# KiCad board n64adv2.kicad_pcb (continued)
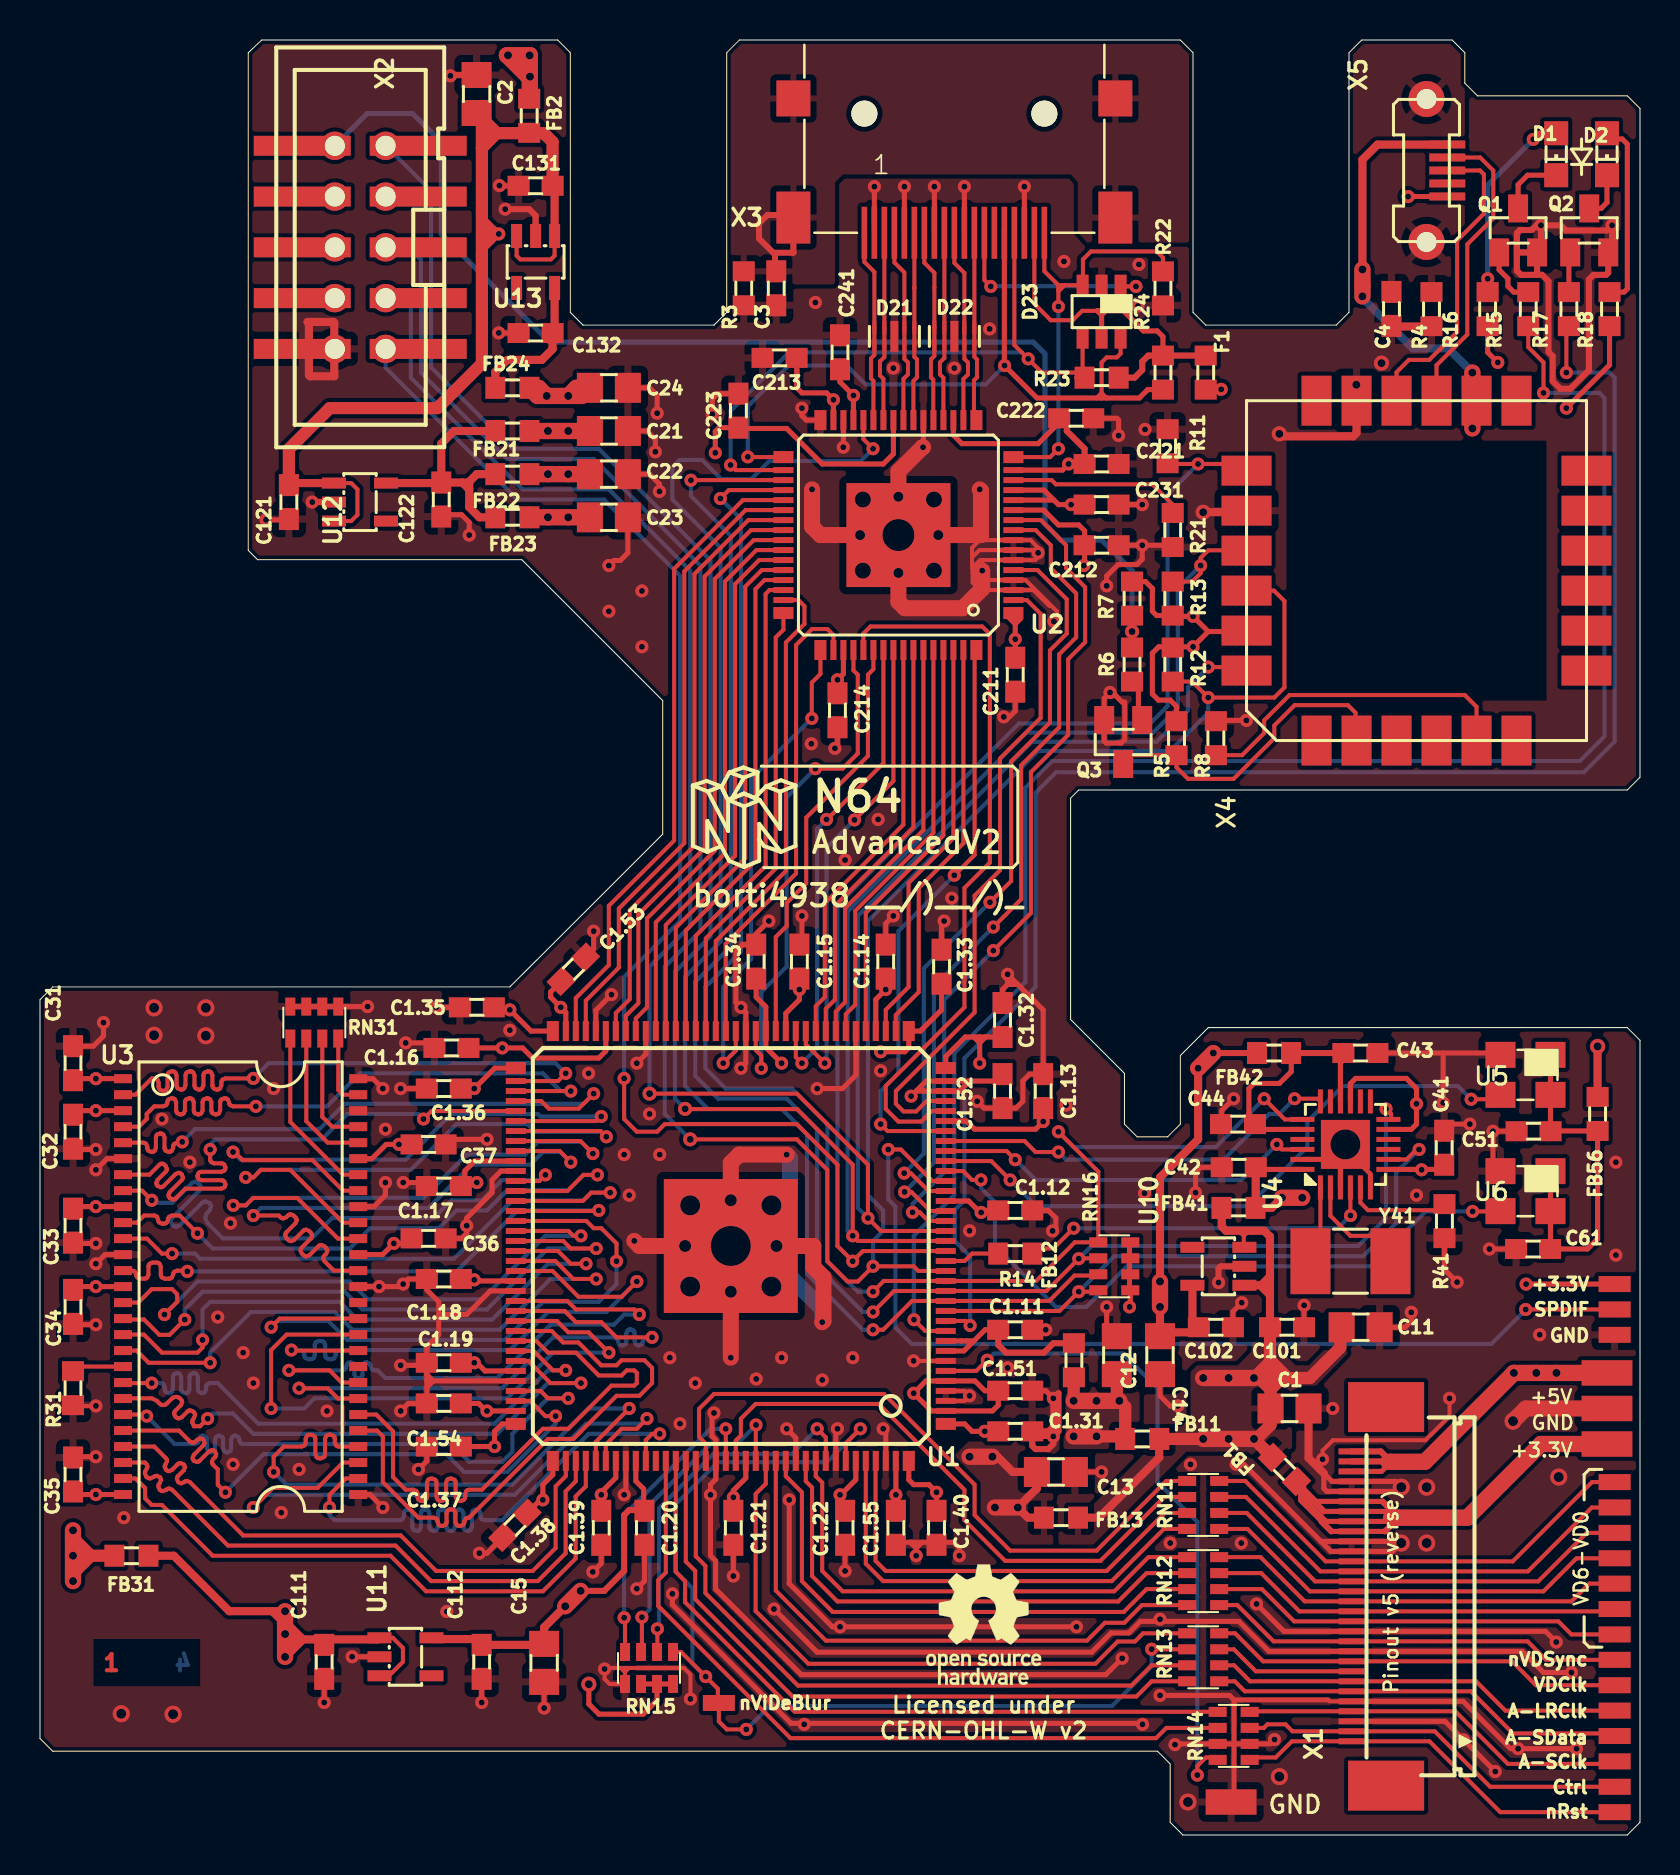
[diagram p0: board, top side]
## Routing (per net, layer and track width the routed paths; a pad name or vN(x,y) marks a point on that pad's centre or on a via; arc(x,y) is an arc through that point) (continued)
Net-(U1-Pad61): length 26.7
  Top w0.203: U1.61 31.29,45.52 34.76,48.98 34.76,62.57 35.96,63.77 U2.43
Net-(U1-Pad62): length 27.5
  Top w0.203: U1.62 30.79,45.65 34.25,49.11 34.25,62.7 35.83,64.27 U2.42
Net-(U1-Pad64): length 28.5
  Top w0.203: U2.41 35.69,64.77 33.74,62.83 33.74,49.24 30.35,45.85 30.35,41.4 29.79,40.84 U1.64
Net-(U1-Pad65): length 29.3
  Top w0.203: U2.40 35.56,65.27 33.24,62.95 33.24,49.36 29.92,46.05 29.92,41.61 29.29,40.98 U1.65
Net-(U1-Pad66): length 30.1
  Top w0.203: U1.66 28.79,41.11 29.49,41.81 29.49,46.25 32.73,49.49 32.73,63.08 35.42,65.77 U2.39
Net-(U1-Pad69): length 31.3
  Top w0.203: U1.69 27.29,41.74 28.95,43.39 28.95,46.34 32.22,49.62 32.22,63.21 35.29,66.27 U2.38
Net-(U1-Pad70): length 32
  Top w0.203: U2.37 35.15,66.77 31.71,63.33 31.71,49.75 28.45,46.48 28.45,43.52 26.79,41.87 U1.70
Net-(U1-Pad74): length 30.9
  Top w0.203: v2(26.29,38.1) 25.9,37.71 U1.74 ; v2(10.67,37.85) 9.27,37.85 9.13,37.79 9.08,37.72 9.07,37.64 9.07,37.5 9,37.35 8.93,37.3 8.85,37.28 8.69,37.35 8.64,37.42 8.62,37.5 8.62,38 8.56,38.14 8.5,38.18 8.42,38.2 8.37,38.2 8.23,38.14 8.19,38.07 8.17,38 8.17,37.5 8.11,37.35 8.03,37.3 7.95,37.28 7.79,37.35 7.74,37.42 7.72,37.5 7.72,38 7.67,38.14 7.6,38.18 7.52,38.2 7.48,38.2 7.34,38.14 7.29,38.07 7.28,38 7.28,37.5 7.21,37.35 7.14,37.3 7.05,37.28 6.89,37.35 6.84,37.42 6.83,37.5 6.83,38 6.77,38.14 6.7,38.18 6.63,38.2 6.58,38.2 6.44,38.14 6.39,38.07 6.38,38 6.38,37.44 6.31,37.28 6.24,37.23 6.16,37.22 6,37.28 5.95,37.35 5.93,37.44 5.93,37.64 5.87,37.79 5.81,37.83 5.73,37.85 5.59,37.85 4.77,37.03 U3.2
  Bottom w0.203: v2(26.29,38.1) 25.78,38.61 11.43,38.61 v2(10.67,37.85)
Net-(U1-Pad75): length 30.9
  Top w0.203: U1.75 26.54,37.21 v2(26.54,37.21) ; v2(10.8,36.45) 9.65,36.45 9.51,36.51 9.47,36.57 9.45,36.65 9.39,36.79 9.33,36.84 9.25,36.85 9.21,36.85 9.07,36.79 9.03,36.73 9.01,36.65 9.01,36.25 8.95,36.1 8.89,36.06 8.81,36.05 8.77,36.05 8.63,36.1 8.59,36.17 8.57,36.25 8.57,36.65 8.51,36.79 8.45,36.84 8.37,36.85 8.33,36.85 8.19,36.79 8.14,36.73 8.13,36.65 8.13,36.25 8.07,36.1 8,36.06 7.93,36.05 7.89,36.05 7.75,36.1 7.7,36.17 7.69,36.25 7.69,36.65 7.63,36.79 7.56,36.84 7.49,36.85 7.45,36.85 7.31,36.79 7.26,36.73 7.25,36.65 7.25,36.25 7.19,36.1 7.12,36.06 7.05,36.05 7.01,36.05 6.87,36.1 6.82,36.17 6.81,36.25 6.81,36.65 6.75,36.79 6.68,36.84 6.61,36.85 6.57,36.85 6.43,36.79 6.38,36.73 6.35,36.57 6.31,36.51 6.17,36.45 5.72,36.45 5.33,36.07 5.33,35.81 4.95,35.43 U3.4
  Bottom w0.203: v2(26.54,37.21) 26.04,37.21 25.15,38.1 16,38.1 14.35,36.45 v2(10.8,36.45)
Net-(U1-Pad76): length 30.9
  Top w0.203: U1.76 25.06,36.71 25.45,36.33 26.93,36.33 v2(27.69,37.08) ; v2(7.11,34.67) 7.07,34.63 6.86,34.63 6.72,34.57 6.67,34.51 6.66,34.43 6.66,34.37 6.6,34.23 6.53,34.19 6.45,34.17 6.43,34.17 6.28,34.23 6.24,34.29 6.23,34.37 6.23,34.89 6.17,35.03 6.1,35.08 6.02,35.09 6,35.09 5.85,35.03 5.81,34.97 5.8,34.89 5.8,34.37 5.74,34.23 5.67,34.19 5.59,34.17 5.57,34.17 5.42,34.23 5.38,34.29 5.36,34.37 5.36,34.43 5.31,34.57 5.24,34.62 5.16,34.63 U3.5
  Bottom w0.203: v2(7.11,34.67) 7.75,35.31 13.97,35.31 15.24,36.58 27.18,36.58 v2(27.69,37.08)
Net-(U1-Pad77): length 30.9
  Top w0.203: v2(8.51,34.29) 8.51,33.8 8.52,33.72 8.57,33.65 8.71,33.6 9.07,33.6 9.15,33.58 9.21,33.54 9.27,33.39 9.27,33.38 9.26,33.3 9.21,33.23 9.07,33.17 8.08,33.17 8,33.16 7.93,33.12 7.87,32.97 7.87,32.96 7.89,32.88 7.93,32.81 8.08,32.75 9.07,32.75 9.15,32.74 9.21,32.69 9.27,32.55 9.27,32.53 9.26,32.46 9.21,32.39 9.07,32.33 7.27,32.33 6.79,31.85 6.72,31.81 6.65,31.79 6.5,31.85 6.48,31.87 6.44,31.94 6.42,32.01 6.48,32.16 7.09,32.76 7.13,32.82 7.15,32.9 7.09,33.04 7.07,33.06 7,33.11 6.92,33.12 6.78,33.06 6.18,32.46 6.11,32.42 6.04,32.4 5.89,32.46 5.87,32.48 5.83,32.55 5.81,32.62 5.87,32.77 6.29,33.18 6.33,33.24 6.35,33.32 6.29,33.46 6.22,33.53 6.14,33.58 6.05,33.58 5.97,33.53 5.47,33.03 U3.7 ; U1.77 19.58,36.21 v2(19.18,35.81)
  Bottom w0.203: v2(8.51,34.29) 8.51,34.54 8.76,34.8 14.1,34.8 15.37,36.07 18.92,36.07 v2(19.18,35.81)
Net-(U1-Pad78): length 31
  Top w0.203: U1.78 27.84,35.71 v2(28.07,35.94) ; U3.47 15.15,32.23 13.63,33.76 10.13,33.76 9.73,34.16 v2(9.65,34.16)
  Bottom w0.203: v2(9.65,34.16) 10.03,33.78 18.29,33.78 20.57,36.07 24.89,36.07 25.02,35.94 v2(28.07,35.94)
Net-(U1-Pad79): length 30.9
  Top w0.203: v2(10.29,32.89) 10.67,32.89 11.05,33.27 12.51,33.27 15.15,30.63 U3.45 ; v2(28.32,34.92) 28.03,35.21 U1.79
  Bottom w0.203: v2(10.29,32.89) 10.67,32.89 11.05,33.27 18.54,33.27 20.83,35.56 24.38,35.56 24.77,35.18 28.07,35.18 v2(28.32,34.92)
Net-(U1-Pad80): length 30.9
  Top w0.203: U3.44 14.9,29.83 12.86,31.86 10.66,31.86 10.29,31.5 v2(9.66,31.5) ; U1.80 27.02,34.71 v2(27.65,34.09)
  Bottom w0.203: v2(27.65,34.09) 27.06,34.67 24.89,34.67 24.26,34.04 21.34,34.04 19.18,31.88 10.67,31.88 10.29,31.5 v2(9.66,31.5)
Net-(U1-Pad81): length 30.9
  Top w0.203: v2(26.54,33.66) 25.98,34.21 U1.81 ; v2(10.67,30.99) 11.94,30.99 12.03,30.9 12.09,30.86 12.17,30.84 12.31,30.9 12.4,30.99 12.46,31.03 12.54,31.05 12.68,30.99 12.78,30.89 12.82,30.82 12.84,30.75 12.78,30.6 12.32,30.15 12.28,30.08 12.26,30 12.32,29.86 12.42,29.76 12.48,29.72 12.56,29.7 12.7,29.76 13.16,30.22 13.23,30.27 13.31,30.28 13.45,30.22 13.55,30.12 13.59,30.06 13.6,29.98 13.55,29.84 13.09,29.38 13.04,29.32 13.03,29.24 13.09,29.1 13.18,29 13.25,28.95 13.33,28.94 13.47,29 13.93,29.46 13.99,29.5 14.07,29.52 14.21,29.46 14.31,29.36 14.35,29.29 14.37,29.22 14.31,29.07 14.22,28.99 14.18,28.92 14.16,28.84 14.22,28.7 14.69,28.23 U3.42
  Bottom w0.203: v2(10.67,30.99) 11.05,31.37 19.43,31.37 21.59,33.53 24.51,33.53 25.15,34.16 26.04,34.16 v2(26.54,33.66)
Net-(U1-Pad84): length 30.8
  Top w0.203: v2(5.59,31.75) 5.11,32.23 U3.8 ; U1.84 24.97,32.71 v2(25.27,33.02)
  Bottom w0.203: v2(25.27,33.02) 25.02,32.77 23.11,32.77 22.1,31.75 20.57,31.75 19.68,30.86 14.61,30.86 13.59,29.84 9.14,29.84 8.38,30.61 8.28,30.82 8.28,30.94 8.31,31.05 8.38,31.15 8.47,31.24 8.55,31.43 8.53,31.53 8.47,31.61 8.29,31.69 8.19,31.67 8.1,31.61 6.99,30.51 6.81,30.43 6.71,30.45 6.62,30.51 6.54,30.7 6.56,30.8 6.62,30.88 7.98,32.24 8.04,32.38 8.02,32.46 7.98,32.53 7.89,32.62 7.82,32.66 7.75,32.68 7.6,32.62 6.61,31.62 5.72,31.62 v2(5.59,31.75)
Net-(U1-Pad85): length 30.9
  Top w0.203: U3.10 4.85,30.63 5.21,30.99 5.7,30.99 5.78,30.97 5.84,30.93 5.9,30.79 5.9,30.78 5.92,30.7 5.96,30.64 6.1,30.58 6.2,30.58 6.28,30.6 6.34,30.64 6.4,30.78 6.4,30.79 6.42,30.86 6.46,30.93 6.6,30.99 6.98,30.99 v2(7.87,30.1) ; U1.85 26.37,32.21 27.18,33.02 v2(27.88,33.02)
  Bottom w0.203: v2(27.88,33.02) 27.18,33.02 26.42,32.26 23.37,32.26 22.35,31.24 20.83,31.24 19.94,30.35 16.51,30.35 15.49,29.34 8.64,29.34 v2(7.87,30.1)
Net-(U1-Pad86): length 31
  Top w0.203: U1.86 27.14,31.71 27.56,32.13 v2(28.51,32.13) ; U3.11 5.35,29.83 6.1,29.08 v2(6.6,29.08)
  Bottom w0.203: v2(6.6,29.08) 7.75,29.08 8,28.83 20.7,28.83 23.62,31.75 27.18,31.75 27.56,32.13 v2(28.51,32.13)
Net-(U1-Pad87): length 30.9
  Top w0.203: v2(27.94,31.24) 27.91,31.21 U1.87 ; v2(7.37,28.19) 7.33,28.23 6.86,28.23 6.72,28.17 6.67,28.11 6.66,28.03 6.6,27.89 6.53,27.84 6.45,27.83 6.24,27.83 6.1,27.89 6.06,27.95 6.04,28.03 6.04,28.43 5.98,28.58 5.92,28.62 5.84,28.64 5.63,28.64 5.48,28.58 5.44,28.51 5.42,28.43 5.42,28.03 5.36,27.89 5.3,27.84 5.22,27.83 5.01,27.83 4.87,27.89 4.82,27.95 4.81,28.03 4.75,28.17 4.68,28.22 4.61,28.23 U3.13
  Bottom w0.203: v2(27.94,31.24) 23.88,31.24 20.83,28.19 v2(7.37,28.19)
Net-(U1-Pad88): length 31
  Top w0.203: v2(11.56,25.4) 11.99,25.83 U3.39 ; U1.88 27.33,30.71 27.69,30.35 28.07,30.35 28.83,29.59 v2(28.83,28.7)
  Bottom w0.203: v2(28.83,28.7) 28.83,27.56 27.94,26.67 25.15,26.67 23.24,24.77 15.37,24.77 14.41,25.72 11.87,25.72 v2(11.56,25.4)
Net-(U1-Pad89): length 30.9
  Top w0.203: v2(6.22,26.04) 6.86,26.67 6.86,27.05 6.6,27.31 5.59,27.31 4.92,26.63 U3.15 ; U1.89 26.43,30.21 26.67,29.97 v2(27.05,29.97)
  Bottom w0.203: v2(6.22,26.04) 7.87,27.69 15.49,27.69 16.38,26.8 22.1,26.8 25.27,29.97 v2(27.05,29.97)
Net-(U1-Pad90): length 31
  Top w0.203: U1.90 26.17,29.71 26.54,29.34 v2(27.81,29.34) ; v2(7.24,25.78) 6.48,25.02 5.97,25.02 5.2,25.79 4.2,25.79 U3.16
  Bottom w0.203: v2(7.24,25.78) 7.24,26.29 8.13,27.18 15.24,27.18 16.13,26.29 22.35,26.29 25.4,29.34 v2(27.81,29.34)
Net-(U1-Pad91): length 31
  Top w0.203: U3.17 5.19,25.03 6.1,24.13 7.87,24.13 8.13,24.38 v2(8.13,24.77) ; U1.91 25.9,29.21 26.54,28.58 v2(27.3,28.58)
  Bottom w0.203: v2(27.3,28.58) 25.4,28.58 22.61,25.78 15.88,25.78 14.99,26.67 8.51,26.67 8.13,26.29 v2(8.13,24.77)
Net-(U1-Pad92): length 31.1
  Top w0.203: v2(27.81,27.81) 26.67,27.81 25.77,28.71 U1.92 ; v2(8.51,23.62) 5.44,23.62 4.83,24.23 U3.18
  Bottom w0.203: v2(27.81,27.81) 25.53,27.81 22.99,25.27 15.62,25.27 14.73,26.16 10.54,26.16 8.51,24.13 v2(8.51,23.62)
Net-(U1-Pad93): length 30.9
  Top w0.203: U1.93 25.63,28.21 26.92,26.92 29.08,26.92 v2(29.85,27.69) ; v2(12.57,24.26) 12.6,24.23 U3.37
  Bottom w0.203: v2(12.57,24.26) 13.02,24.26 13.09,24.24 13.16,24.2 13.22,24.06 13.22,24 13.23,23.93 13.28,23.86 13.42,23.8 13.54,23.8 13.62,23.82 13.68,23.86 13.74,24 13.74,24.51 13.76,24.59 13.8,24.65 13.94,24.71 14.06,24.71 14.14,24.7 14.2,24.65 14.26,24.51 14.26,24 14.28,23.93 14.32,23.86 14.46,23.8 14.58,23.8 14.66,23.82 14.73,23.86 14.78,24 14.78,24.06 14.8,24.13 14.84,24.2 14.99,24.26 23.49,24.26 25.4,26.16 28.32,26.16 v2(29.85,27.69)
Net-(U1-Pad96): length 30.9
  Top w0.203: U1.96 26.37,26.71 26.8,26.29 29.72,26.29 v2(29.97,26.04) ; v2(12.45,23.24) 14.48,23.24 15.09,22.63 U3.35
  Bottom w0.203: v2(29.97,26.04) 29.21,26.04 28.7,25.53 25.53,25.53 22.86,22.86 17.27,22.86 16.89,23.24 16.74,23.24 16.66,23.26 16.6,23.3 16.54,23.44 16.52,23.52 16.48,23.59 16.33,23.64 16.33,23.64 16.25,23.63 16.19,23.59 16.13,23.44 16.13,23.04 16.11,22.96 16.07,22.9 15.93,22.84 15.92,22.84 15.85,22.85 15.78,22.9 15.72,23.04 15.72,23.44 15.71,23.52 15.66,23.59 15.52,23.64 15.52,23.64 15.44,23.63 15.37,23.59 15.31,23.44 15.3,23.37 15.26,23.3 15.11,23.24 v2(12.45,23.24)
Net-(U1-Pad97): length 30.9
  Top w0.203: U3.34 14.9,21.83 14.39,22.34 12.97,22.34 v2(12.95,22.35) ; v2(30.61,24.89) 28.83,24.89 28.07,25.65 26.8,25.65 26.24,26.21 U1.97
  Bottom w0.203: v2(30.61,24.89) 30.35,24.89 30.27,24.88 30.21,24.83 30.15,24.69 30.13,24.61 30.09,24.55 29.95,24.49 29.93,24.49 29.86,24.5 29.79,24.55 29.73,24.69 29.73,25.09 29.72,25.17 29.67,25.24 29.53,25.3 29.52,25.3 29.44,25.28 29.38,25.24 29.32,25.09 29.32,24.69 29.3,24.61 29.26,24.55 29.12,24.49 29.11,24.49 29.03,24.5 28.96,24.55 28.9,24.69 28.89,24.77 28.84,24.83 28.7,24.89 25.65,24.89 23.11,22.35 v2(12.95,22.35)
Net-(U1-Pad98): length 31
  Top w0.203: v2(28.45,24.13) 27.43,25.15 26.42,25.15 25.85,25.71 U1.98 ; v2(11.56,21.34) 11.56,24.26 12.33,25.03 U3.38
  Bottom w0.203: v2(28.45,24.13) 25.65,24.13 23.37,21.84 13.72,21.84 13.21,21.34 v2(11.56,21.34)
Net-(U1-Pad99): length 30.9
  Top w0.203: U1.99 25.59,25.21 26.16,24.64 26.92,24.64 28.07,23.5 28.83,23.5 29.08,23.75 30.23,23.75 30.61,23.37 30.61,22.61 29.97,21.97 28.83,21.97 26.67,19.81 25.4,19.81 21.46,15.88 21.42,15.88 21.35,15.86 21.28,15.82 21.22,15.67 21.22,15.66 21.21,15.58 21.16,15.52 21.02,15.46 20.98,15.46 20.9,15.47 20.84,15.52 20.78,15.66 20.78,16.09 20.76,16.17 20.72,16.23 20.58,16.29 20.53,16.29 20.46,16.28 20.39,16.23 20.33,16.09 20.33,15.66 20.32,15.58 20.27,15.52 20.13,15.46 20.09,15.46 20.01,15.47 19.95,15.52 19.89,15.66 19.89,15.67 19.87,15.75 19.83,15.82 19.68,15.88 18.92,15.88 17.14,17.65 17.14,19.94 16.85,20.23 U3.32
Net-(U1-Pad100): length 30.9
  Top w0.203: U3.33 16.81,21.03 17.65,20.19 17.65,17.91 18.29,17.27 18.67,17.27 18.81,17.21 18.86,17.15 18.87,17.07 18.87,16.92 18.93,16.78 19,16.73 19.07,16.72 19.15,16.72 19.29,16.78 19.33,16.84 19.35,16.92 19.35,17.63 19.41,17.77 19.47,17.81 19.55,17.83 19.63,17.83 19.77,17.77 19.81,17.7 19.83,17.63 19.83,16.92 19.89,16.78 19.95,16.73 20.03,16.72 20.1,16.72 20.25,16.78 20.29,16.84 20.31,16.92 20.31,17.63 20.37,17.77 20.43,17.81 20.51,17.83 20.58,17.83 20.73,17.77 20.77,17.7 20.79,17.63 20.79,16.92 20.84,16.78 20.91,16.73 20.99,16.72 21.06,16.72 21.2,16.78 21.25,16.84 21.26,16.92 21.26,17.07 21.32,17.21 21.39,17.26 21.47,17.27 22.1,17.27 25.15,20.32 26.42,20.32 28.58,22.48 29.72,22.48 29.85,22.61 29.85,23.11 29.72,23.24 29.34,23.24 29.08,22.99 27.94,22.99 26.8,24.13 25.4,24.13 24.82,24.71 U1.100
Net-(U1-Pad101): length 30.9
  Top w0.203: U3.20 4.18,22.61 v2(5.59,22.61) ; v2(26.29,23.24) 25.65,23.24 24.68,24.21 U1.101
  Bottom w0.203: v2(5.59,22.61) 6.03,22.61 6.11,22.59 6.17,22.55 6.23,22.4 6.23,22.3 6.25,22.23 6.29,22.16 6.43,22.1 6.45,22.1 6.52,22.12 6.59,22.16 6.65,22.3 6.65,22.91 6.66,22.99 6.71,23.05 6.85,23.11 6.86,23.11 6.94,23.09 7,23.05 7.06,22.91 7.06,22.3 7.08,22.23 7.12,22.16 7.26,22.1 7.28,22.1 7.35,22.12 7.42,22.16 7.48,22.3 7.48,22.91 7.49,22.99 7.54,23.05 7.68,23.11 7.69,23.11 7.77,23.09 7.83,23.05 7.89,22.91 7.89,22.3 7.91,22.23 7.95,22.16 8.09,22.1 8.11,22.1 8.18,22.12 8.25,22.16 8.31,22.3 8.31,22.4 8.32,22.48 8.37,22.55 8.51,22.61 8.89,22.61 10.92,20.57 22.73,20.57 25.4,23.24 v2(26.29,23.24)
Net-(U1-Pad102): length 30.9
  Top w0.203: v2(27.05,22.61) 25.53,22.61 24.42,23.71 U1.102 ; v2(8.38,20.83) 8,20.45 7.7,20.45 7.61,20.65 7.63,20.76 7.7,20.86 7.76,21 7.74,21.08 7.7,21.14 7.66,21.18 7.52,21.24 7.44,21.23 7.37,21.18 7.09,20.9 6.95,20.84 6.87,20.85 6.8,20.9 6.77,20.94 6.71,21.08 6.72,21.15 6.77,21.22 7.05,21.51 7.11,21.65 7.09,21.72 7.05,21.79 7.01,21.83 6.92,21.89 6.81,21.92 6.7,21.9 6.6,21.84 6.35,21.59 6.26,21.53 6.16,21.5 6.06,21.53 5.97,21.59 5.84,21.72 5.59,21.84 4.17,21.84 U3.21
  Bottom w0.203: v2(27.05,22.61) 25.4,22.61 22.86,20.07 10.67,20.07 9.65,21.08 8.64,21.08 v2(8.38,20.83)
Net-(U1-Pad105): length 30.9
  Top w0.203: U3.22 5.26,21.03 v2(5.33,20.96) ; U1.105 25.03,22.21 25.4,21.84 v2(26.42,21.84)
  Bottom w0.203: v2(5.33,20.96) 6.73,19.56 7.75,19.56 7.89,19.62 7.93,19.68 7.95,19.76 7.95,19.77 8.01,19.92 8.07,19.96 8.15,19.98 8.29,19.92 8.34,19.85 8.35,19.77 8.35,19.34 8.41,19.2 8.48,19.16 8.55,19.14 8.7,19.2 8.74,19.27 8.76,19.34 8.76,19.77 8.81,19.92 8.88,19.96 8.96,19.98 9.1,19.92 9.14,19.85 9.16,19.77 9.16,19.34 9.22,19.2 9.28,19.16 9.36,19.14 9.5,19.2 9.55,19.27 9.56,19.34 9.56,19.77 9.62,19.92 9.69,19.96 9.76,19.98 9.91,19.92 9.95,19.85 9.97,19.77 9.97,19.76 10.02,19.62 10.09,19.57 10.17,19.56 20.57,19.56 21.46,18.67 23.11,18.67 23.62,19.18 23.62,20.07 25.4,21.84 v2(26.42,21.84)
Net-(U1-Pad106): length 30.7
  Top w0.203: v2(25.78,20.96) 25.27,20.96 24.51,21.71 U1.106 ; U3.23 6.95,20.23 7.49,19.69 7.64,19.63 7.71,19.64 7.78,19.69 7.87,19.78 8.02,19.84 8.09,19.82 8.16,19.78 8.17,19.77 8.23,19.63 8.21,19.55 8.17,19.49 7.69,19.01 7.63,18.87 7.65,18.79 7.69,18.73 7.7,18.72 7.84,18.66 7.92,18.68 7.98,18.72 8.46,19.2 8.6,19.26 8.68,19.24 8.74,19.2 8.75,19.19 8.81,19.05 8.79,18.97 8.75,18.9 8.66,18.81 8.6,18.67 8.61,18.59 8.66,18.52 8.89,18.29 8.89,17.53 v2(9.27,17.15)
  Bottom w0.203: v2(9.27,17.15) 11.18,19.05 20.32,19.05 21.21,18.16 23.37,18.16 25.78,20.57 v2(25.78,20.96)
Net-(U1-Pad110): length 30.9
  Top w0.203: U1.110 26.29,17.95 25.79,17.44 25.79,14.36 24.64,13.21 19.81,13.21 18.03,14.99 10.16,14.99 7.49,17.65 7.35,17.71 7.27,17.7 7.21,17.65 7.07,17.59 6.99,17.61 6.92,17.65 6.9,17.67 6.84,17.81 6.86,17.89 6.9,17.96 7.19,18.24 7.25,18.39 7.23,18.46 7.19,18.53 7.17,18.55 7.03,18.61 6.95,18.59 6.88,18.55 6.6,18.26 6.46,18.2 6.38,18.22 6.31,18.26 6.29,18.28 6.24,18.42 6.25,18.5 6.29,18.57 6.35,18.71 6.34,18.79 6.29,18.85 5.71,19.43 U3.24
Net-(U1-Pad111): length 31
  Top w0.203: U1.111 26.79,17.7 26.29,17.19 26.29,14.09 24.89,12.7 19.56,12.7 17.78,14.48 9.4,14.48 6.6,17.27 6.46,17.33 6.38,17.32 6.32,17.27 6.15,17.2 6.06,17.22 5.99,17.27 5.92,17.44 5.94,17.53 5.99,17.6 6.05,17.76 6.03,17.84 5.99,17.91 5.83,17.97 5.75,17.95 5.68,17.91 5.51,17.83 5.42,17.85 5.34,17.91 5.31,17.93 5.24,18.1 5.26,18.2 5.31,18.28 5.37,18.42 5.36,18.5 5.31,18.56 5.24,18.63 U3.25
Net-(U1-Pad112): length 31
  Top w0.203: U1.112 27.29,17.44 26.79,16.94 26.79,13.83 25.15,12.19 19.3,12.19 17.53,13.97 8.64,13.97 6.1,16.51 5.59,16.51 5.26,16.84 5.26,17.35 4.77,17.83 U3.26
Net-(U1-Pad113): length 30.9
  Top w0.203: v2(29.46,21.34) 27.79,19.67 U1.113 ; v2(11.68,18.16) 11.68,18.92 12.19,19.43 13.08,19.43 13.22,19.49 13.27,19.56 13.28,19.63 13.28,19.82 13.34,19.96 13.41,20.01 13.48,20.02 13.57,20.02 13.71,19.96 13.75,19.9 13.77,19.82 13.77,19.04 13.83,18.9 13.89,18.86 13.97,18.84 14.05,18.84 14.2,18.9 14.24,18.97 14.26,19.04 14.26,19.82 14.31,19.96 14.38,20.01 14.46,20.02 14.54,20.02 14.68,19.96 14.73,19.9 14.74,19.82 14.74,19.63 14.8,19.49 14.87,19.45 14.94,19.43 U3.31
  Bottom w0.203: v2(29.46,21.34) 27.43,21.34 23.62,17.53 12.32,17.53 v2(11.68,18.16)
Net-(U1-Pad114): length 31.1
  Top w0.203: v2(10.67,16.38) 11.65,17.36 13.88,17.36 15.15,18.63 U3.30 ; U1.114 28.29,19.53 29.08,20.32 29.85,20.32 v2(30.35,20.83)
  Bottom w0.203: v2(10.67,16.38) 11.3,17.02 23.75,17.02 27.3,20.57 30.1,20.57 v2(30.35,20.83)
Net-(U1-Pad118): length 30.9
  Top w0.203: v2(30.99,20.07) 30.61,20.07 30.29,19.75 U1.118 ; U3.29 15.29,17.83 14.48,17.02 v2(14.48,16.38)
  Bottom w0.203: v2(14.48,16.38) 14.48,16 14.73,15.75 18,15.75 18.07,15.76 18.14,15.81 18.2,15.95 18.2,16.08 18.21,16.16 18.26,16.23 18.4,16.28 18.42,16.28 18.5,16.27 18.56,16.23 18.62,16.08 18.62,15.41 18.64,15.34 18.68,15.27 18.82,15.21 18.85,15.21 18.92,15.23 18.99,15.27 19.05,15.41 19.05,16.08 19.06,16.16 19.11,16.23 19.25,16.28 19.27,16.28 19.35,16.27 19.41,16.23 19.47,16.08 19.47,15.41 19.49,15.34 19.53,15.27 19.67,15.21 19.7,15.21 19.77,15.23 19.84,15.27 19.9,15.41 19.9,16.08 19.91,16.16 19.96,16.23 20.1,16.28 20.12,16.28 20.2,16.27 20.26,16.23 20.32,16.08 20.32,15.41 20.34,15.34 20.38,15.27 20.52,15.21 20.55,15.21 20.62,15.23 20.69,15.27 20.75,15.41 20.75,16.08 20.76,16.16 20.81,16.23 20.95,16.28 20.97,16.28 21.05,16.27 21.11,16.23 21.17,16.08 21.17,15.41 21.19,15.34 21.23,15.27 21.37,15.21 21.4,15.21 21.47,15.23 21.54,15.27 21.6,15.41 21.6,16.08 21.61,16.16 21.66,16.23 21.8,16.28 21.82,16.28 21.9,16.27 21.96,16.23 22.02,16.08 22.02,15.95 22.04,15.87 22.08,15.81 22.23,15.75 23.11,15.75 27.43,20.07 v2(30.99,20.07)
Net-(U4-PadP1): length 3.9
  Top w0.203: U4.P1 64.03,29.2 Y41.2
Net-(U4-PadP2): length 6.1
  Top w0.203: U4.P2 64.53,30.98 65.53,29.97 67.06,29.97 ; 67.06,29.97 67.53,29.5 Y41.1 ; 67.06,29.97 67.28,29.97
Net-(X4-Pad14): length 29.1
  Top w0.406: v1(71.63,73.15) 71.83,72.95 X4.14 71.63,71.54 v1(71.63,70.36) ; 66.05,78.2 66.05,77.6 66.13,77.52 ; X5.1 70.37,84.56 66.88,84.56 66.13,83.8 v1(66.13,78.31)
  Top w0.813: v1(66.13,76.96) v1(66.13,78.31) ; v1(71.63,73.15) v1(71.63,70.36)
  Bottom w0.406: v1(66.13,76.96) 66.13,76.89 68.65,74.36 70.42,74.36 v1(71.63,73.15)
  Bottom w0.813: v1(71.63,73.15) v1(71.63,70.36) ; v1(66.13,76.96) v1(66.13,78.31)
Net-(X4-Pad15): length 15.3
  Top w0.203: X4.15 69.83,73.52 71.37,75.06 71.37,79.57 72.67,80.87 72.67,83.26 72.02,83.91 X5.2
Net-(X4-Pad16): length 15.6
  Top w0.203: X4.16 67.83,73.17 68.45,73.79 69.47,73.79 70.87,75.18 70.87,79.76 72.2,81.1 72.2,83.07 72.01,83.26 X5.3

## Copper pours and planes (outline as drawn; the poured copper is in the pictures)
+3V3 on Top: 65.54,24.26 63.82,22.48 62.93,22.48 62.61,22.05 62.61,19 61.77,18.16 61.42,18.16 60.4,19.18 57.33,19.18 52.5,14.35 50.93,14.35 50.93,16.64 52.78,16.64 55.24,19.1 55.24,20.45 57.1,20.45 57.53,20.88 57.53,23.17 57.86,23.5 59.89,23.5 60.58,24.18 60.58,26.04 62.36,26.04 62.36,23.93 62.79,23.5 63.45,23.5 64.21,24.26
/n64adv2_logic/GND_HDMI_SHIELD on Top: 58.54,79.65 52.35,79.66 51.9,80.16 51.9,82.66 51.55,83.06 40.15,83.06 39.75,82.66 39.75,77.56 33.53,77.56 33.53,90.04 58.55,90.04
/n64adv2_logic/GND_HDMI_SHIELD on Bottom: 57.79,80.2 33.53,80.2 33.53,90.04 57.79,90.04
/n64adv2_logic/GND_HDMI_SHIELD on In1.Cu: 58.53,79.69 51.9,79.69 51.9,83.11 39.75,83.11 39.74,80.19 39.74,77.58 33.38,77.58 33.38,90.07 58.53,90.07
GND on Top: 80.16,-0.15 -0.15,-0.15 -0.15,90.07 80.16,90.07
GND on Bottom: 50.17,69.9 50.17,42.22 51.87,40.51 80.14,40.51 80.14,24.36 50.22,24.36 43.49,17.4 30.15,17.4 26.09,13.34 -0.13,13.34 -0.13,42.8 24.08,42.8 35.37,54.09 35.37,69.59 38.05,72.26 47.8,72.26
GND on In1.Cu: 80.16,-0.15 -0.15,-0.15 -0.15,90.07 80.16,90.07
GND on In2.Cu: 80.16,-0.15 -0.15,-0.15 -0.15,90.07 80.16,90.07
VCCA on Top: 50.67,14.1 48.46,14.1 45.59,16.97 45.59,18.85 46.43,19.69 50.67,19.69
VCCIO_3V3 on Top: 54.99,19.51 54.79,19.3 51.18,19.3 51.18,22.3 50.93,22.55 50.93,23.75 54.99,23.75
Net-(C4-Pad2) on Top, Bottom: 71.25,76.35 65.62,76.36 65.61,85.34 64.77,85.34 64.78,90.07 71.25,90.07
Net-(C4-Pad2) on In1.Cu, In2.Cu: 71.25,76.36 64.62,76.36 64.62,90.07 71.25,90.07

## Text on the board
Bottom: 4
B.Silkscreen: N64Adv2_20231119
Top: 1
F.Silkscreen: nViDeBlur | nVDSync | VDClk | A-LRClk | A-SData | A-SClk | Ctrl | nRst | +3.3V | SPDIF | GND | +5V | Pinout v5 (reverse) | VD6-VD0 | Licensed under / CERN-OHL-W v2 | borti4938 __/)__/)_ | AdvancedV2 | N64
In1.Cu: 2
In2.Cu: 3
